# KiCad board pandore.kicad_pcb (continued)
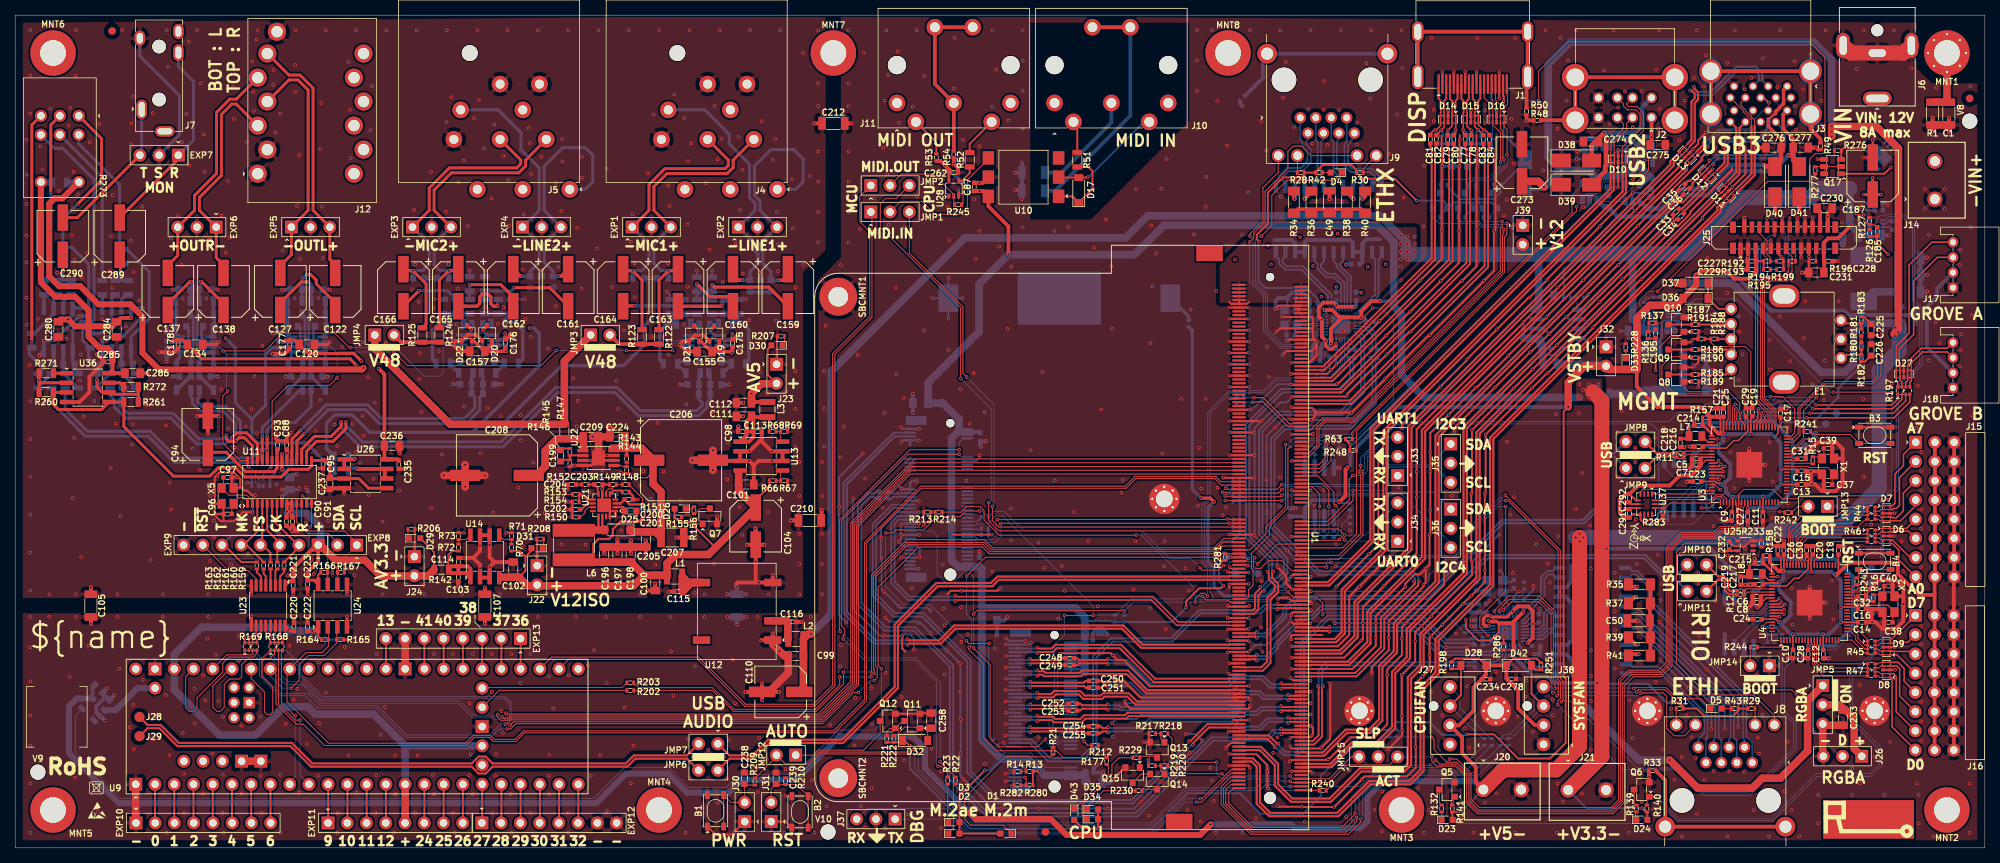
[diagram p0: board, top side]
## Placement (name value [footprint] x y rotation side) (continued)
JMP2  MIDITX  [HDR254P1X03-TH]  115.5 87.5 90 top
JMP3  PPWR  [HDR254P1X02-TH]  77.25 67.75 90 top
JMP4  PPWR  [HDR254P1X02-TH]  48.75 67.75 90 top
JMP5  RGBA.PWR  [HDR254P1X03-TH]  238.6 18.89 0 top
JMP6  AUDIO.D+  [HDR254P1X02-TH#2]  91.48 10.25 270 top
JMP7  AUDIO.D-  [HDR254P1X02-TH#2]  91.48 13.75 270 top
JMP8  USB.D-  [HDR254P1X02-TH#2]  213.89 53.65 90 top
JMP9  USB.D+  [HDR254P1X02-TH#2]  213.89 50.15 90 top
JMP10  USB.D-  [HDR254P1X02-TH#2]  222 37.4 90 top
JMP11  USB.D+  [HDR254P1X02-TH#2]  222 33.9 90 top
JMP12  AUTOON  [HDR254P1X02-TH]  101.75 12.25 270 top
JMP13  USBBOOT  [HDR254P1X02-TH]  237.95 45.11 270 top
JMP14  USBBOOT  [HDR254P1X02-TH]  230.28 24.06 270 top
JMP15  PON  [HDR254P1X03-TH#2]  179.94 12.03 90 top
L1  10µH  [INDC2520]  87.05 35.85 180 top
L2  10µH  [INDC2520]  103.05 27.6 180 top
L3  10µH  [INDC2520]  99.3 57.9 90 top
L4  8.2µH, 5A  [Eaton_HPAL1V0630]  244 75.2 270 bottom
L5  8.2µH, 5A  [Eaton_HPAL1V0630]  215.7 62.8 270 bottom
L6  Ind  [WE_IND5030]  73.75 40 90 top
L7  3.3µH, 1.8A  [INDC2012]  221.8 54.4 180 top
L8  3.3µH, 1.8A  [INDC2012]  229.78 36.2 180 top
M2AE30  M2  [mnt_M2_ele]  151.69 46.1 180 bottom
M2M42  M2  [mnt_M2_ele]  177.45 18.1 180 bottom
M2M60  M2  [mnt_M2_ele]  195.45 18.1 180 bottom
M2M80  M2  [mnt_M2_ele]  215.45 18.1 180 bottom
M2M110  M2  [mnt_M2_ele]  245.45 18.1 180 bottom
MNT1  MNT-CHASSIS  [mnt_M3_ele]  255 105 0 top
MNT2  Mounting  [mnt_M3]  255 5 45 top
MNT3  Mounting  [mnt_M3]  183 5 135 top
MNT4  Mounting  [mnt_M3]  85 5 45 top
MNT5  Mounting  [mnt_M3]  5 5 0 top
MNT6  Mounting  [mnt_M3]  5 105 0 top
MNT7  Mounting  [mnt_M3]  108 105 0 top
MNT8  Mounting  [mnt_M3]  160.1 105 0 top
PTC1  PTC  [FUSER1608]  251.6 70.7 0 bottom
PTC2  PTC  [FUSER1608]  251.6 69.4 0 bottom
Q1  MOSFET_EN-N  [SOT95P280X100-3]  190.68 91.04 90 bottom  (not fitted)
Q2  MOSFET_EN-N  [SOT95P280X100-3]  188.1 85.5 90 bottom
Q3  MOSFET_EN-N  [SOT95P280X100-3]  191.4 85.5 90 bottom
Q4  MOSFET_EN-N  [SOT95P280X100-3]  194.7 85.5 90 bottom
Q5  MOSFET_EN-N  [SOT95P280X100-3]  189 7.7 180 top
Q6  MOSFET_EN-N  [SOT95P280X100-3]  214.7 7.7 180 top
Q7  MOSFET_EN-N  [SOT95P280X100-3]  91.7 43.8 90 top
Q8  MOSFET_EN-N  [SOT95P280X100-3]  219.28 62.53 180 top
Q9  MOSFET_EN-N  [SOT95P280X100-3]  219.28 65.83 180 top
Q10  MOSFET_EN-N  [SOT95P280X100-3]  219.28 69.13 180 top
Q11  MOSFET_EN-N  [SOT95P280X100-3]  118.43 16.76 180 top
Q12  MOSFET_EN-N  [SOT95P280X100-3]  115.18 16.76 180 top
Q13  MOSFET_EN-N  [SOT95P280X100-3]  150.75 12.95 270 top
Q14  MOSFET_EN-N  [SOT95P280X100-3]  150.75 8.75 270 top
Q15  MOSFET_EN-N  [SOT95P280X100-3]  147.5 9.6 270 top
Q16  MOSFET_EN-P  [DFN65P300X300X100-9]  246.4 91.4 45 bottom
Q17  BJT_PNP  [SOT95P280X100-6]  239.9 90 180 top
R1  1MΩ, 5%, 250mW  [RESC3216]  253.1 97 270 top  (not fitted)
R2  0Ω, 5%, 63mW  [RESC1005]  172.77 41.42 90 bottom
R3  0Ω, 5%, 63mW  [RESC1005]  170.27 52.42 270 bottom
R4  0Ω, 5%, 63mW  [RESC1005]  174.07 41.42 90 bottom
R5  0Ω, 5%, 63mW  [RESC1005]  171.57 52.42 270 bottom
R6  0Ω, 5%, 63mW  [RESC1005]  172.87 52.42 270 bottom
R7  0Ω, 5%, 63mW  [RESC1005]  171.57 41.42 90 bottom
R8  10kΩ, 1%, 63mW  [RESC1005]  176.2 45.1 270 bottom
R9  10kΩ, 1%, 63mW  [RESC1005]  174.8 52.4 90 bottom
R10  10kΩ, 1%, 63mW  [RESC1005]  176.2 43.3 270 bottom  (not fitted)
R11  27Ω, 5%, 63mW  [RESCAXSR65P100X100X35-4]  219.8 51.9 0 top
R12  27Ω, 5%, 63mW  [RESCAXSR65P100X100X35-4]  227.78 33.7 0 top
R13  10kΩ, 1%, 63mW  [RESC1005]  133.9 10.1 180 top  (not fitted)
R14  1kΩ, 1%, 63mW  [RESC1005]  132.3 10.1 180 top  (not fitted)
R15  1kΩ, 1%, 63mW  [RESC1005]  237.3 51.19 90 top
R16  1kΩ, 1%, 63mW  [RESC1005]  245.27 32.99 90 top
R17  10kΩ, 1%, 63mW  [RESC1005]  145.2 30.3 90 bottom
R18  10kΩ, 1%, 63mW  [RESC1005]  146.4 30.3 90 bottom
R19  10kΩ, 1%, 63mW  [RESC1005]  172.54 62.61 90 bottom
R20  10kΩ, 1%, 63mW  [RESC1005]  191.4 28.9 90 bottom
R21  1kΩ, 1%, 63mW  [RESC1005]  137 12.8 270 top
R22  1kΩ, 1%, 63mW  [RESC1005]  124.1 8.9 270 top
R23  1kΩ, 1%, 63mW  [RESC1005]  123.1 8.9 270 top
R24  1MΩ, 1%, 63mW  [RESC1005]  170.94 68.64 270 bottom
R25  1MΩ, 1%, 63mW  [RESC1005]  196.35 32.53 180 bottom
R26  2.49kΩ, 1%, 63mW  [RESC1005]  171.4 70.93 0 bottom
R27  2.49kΩ, 1%, 63mW  [RESC1005]  199.18 34.65 270 bottom
R28  470Ω, 1%, 63mW  [RESC1005]  169.7 89.2 180 top
R29  470Ω, 1%, 63mW  [RESC1005]  229.2 18.4 0 top
R30  470Ω, 1%, 63mW  [RESC1005]  177.5 89.2 0 top
R31  470Ω, 1%, 63mW  [RESC1005]  219.7 18.4 180 top
R32  0Ω, 5%, 63mW  [RESC1005]  162 99 45 bottom
R33  0Ω, 5%, 63mW  [RESC1005]  216.1 10.2 0 top
R34  75Ω, 1%, 250mW  [RESMELF0204]  168.8 85.3 270 top
R35  75Ω, 1%, 250mW  [RESMELF0204]  214.4 34.8 0 top
R36  75Ω, 1%, 250mW  [RESMELF0204]  171.1 85.3 270 top
R37  75Ω, 1%, 250mW  [RESMELF0204]  214.4 32.3 0 top
R38  75Ω, 1%, 250mW  [RESMELF0204]  175.8 85.3 270 top
R39  75Ω, 1%, 250mW  [RESMELF0204]  214.4 27.8 0 top
R40  75Ω, 1%, 250mW  [RESMELF0204]  178.2 85.3 270 top
R41  75Ω, 1%, 250mW  [RESMELF0204]  214.4 25.4 0 top
R42  1kΩ, 1%, 63mW  [RESC1005]  172.1 89.2 180 top
R43  1kΩ, 1%, 63mW  [RESC1005]  227 18.4 0 top
R44  560Ω, 5%, 63mW  [RESCAXSR50P200X100X35-8]  245.01 44.2 0 top
R45  560Ω, 5%, 63mW  [RESCAXSR50P200X100X35-8]  245.01 26.51 0 top
R46  560Ω, 5%, 63mW  [RESCAXSR50P200X100X35-8]  245.01 41.2 0 top
R47  560Ω, 5%, 63mW  [RESCAXSR50P200X100X35-8]  245.01 23.51 0 top
R48  0Ω, 5%, 63mW  [RESC1005]  200.9 96.1 0 top
R49  0Ω, 5%, 63mW  [RESC1005]  238.3 92.7 90 top
R50  0Ω, 5%, 63mW  [RESC1005]  199.5 97.3 90 top
R51  220Ω, 1%, 250mW  [RESC2012]  140.2 90.9 270 top
R52  10Ω, 1%, thin film  [RESC2012]  126 90.9 270 top
R53  33Ω, 1%, 63mW  [RESC1005]  121.6 91.2 270 top
R54  0Ω, 5%, 63mW  [RESC1005]  123.9 91.6 90 top
R55  560Ω, 5%, 63mW  [RESCAXSR50P200X100X35-8]  188.71 93.54 90 bottom  (not fitted)
R56  560Ω, 5%, 63mW  [RESCAXSR50P200X100X35-8]  192.63 93.53 90 bottom  (not fitted)
R57  2.2kΩ, 1%, 63mW  [RESC1005]  187.6 83.3 180 bottom
R58  2.2kΩ, 1%, 63mW  [RESC1005]  188.6 87.6 180 bottom
R59  2.2kΩ, 1%, 63mW  [RESC1005]  190.9 83.3 180 bottom
R60  2.2kΩ, 1%, 63mW  [RESC1005]  192.3 87.6 180 bottom
R61  2.2kΩ, 1%, 63mW  [RESC1005]  194.2 83.3 180 bottom
R62  2.2kΩ, 1%, 63mW  [RESC1005]  195.6 87.6 180 bottom
R63  10kΩ, 1%, 63mW  [RESC1005]  176.05 54 180 top
R64  10kΩ, 1%, 63mW  [RESC1005]  38.2 45.35 0 bottom
R65  1kΩ, 1%, 63mW  [RESC1005]  38.62 46.57 90 bottom
R66  10kΩ, 1%, 63mW  [RESC1005]  100 48.5 0 top
R67  10kΩ, 1%, 63mW  [RESC1005]  101.5 48.5 0 top  (not fitted)
R68  10kΩ, 1%, 63mW  [RESC1005]  100 55 0 top
R69  3.09kΩ, 1%, 63mW  [RESC1005]  101.5 55 0 top
R70  10kΩ, 1%, 63mW  [RESC1005]  65.53 39.67 90 top
R71  10kΩ, 1%, 63mW  [RESC1005]  65.53 41.17 90 top  (not fitted)
R72  10kΩ, 1%, 63mW  [RESC1005]  58.52 39.68 90 top
R73  5.6kΩ, 1%, 63mW  [RESC1005]  58.53 41.18 90 top
R74  5.1kΩ, 0.5%, thin film  [RESC2012]  37 63.75 180 bottom
R75  5.1kΩ, 0.5%, thin film  [RESC2012]  40 63.75 0 bottom
R76  5.1kΩ, 0.5%, thin film  [RESC2012]  37 60.5 180 bottom
R77  5.1kΩ, 0.5%, thin film  [RESC2012]  40 60.5 0 bottom
R78  5.1kΩ, 0.5%, thin film  [RESC2012]  36.9 70.5 180 bottom
R79  5.1kΩ, 0.5%, thin film  [RESC2012]  40 70.5 0 bottom
R80  100Ω, 1%, thin film  [RESC2012]  36.9 72.25 0 bottom
R81  100Ω, 1%, thin film  [RESC2012]  40 72.25 180 bottom
R82  10Ω, 1%, thin film  [RESC2012]  93.75 71.45 270 bottom
R83  10Ω, 1%, thin film  [RESC2012]  88.25 71.45 270 bottom
R84  5.1kΩ, 0.5%, thin film  [RESC2012]  22.25 60.5 180 bottom
R85  5.1kΩ, 0.5%, thin film  [RESC2012]  25.25 60.5 0 bottom
R86  5.1kΩ, 0.5%, thin film  [RESC2012]  22.25 63.75 180 bottom
R87  5.1kΩ, 0.5%, thin film  [RESC2012]  25.25 63.75 0 bottom
R88  10Ω, 1%, thin film  [RESC2012]  63.75 71.5 270 bottom
R89  10Ω, 1%, thin film  [RESC2012]  58.25 71.5 270 bottom
R90  5.1kΩ, 0.5%, thin film  [RESC2012]  22.15 70.5 180 bottom
R91  5.1kΩ, 0.5%, thin film  [RESC2012]  25.25 70.5 0 bottom
R92  100Ω, 1%, thin film  [RESC2012]  22.15 72.25 0 bottom
R93  100Ω, 1%, thin film  [RESC2012]  25.25 72.25 180 bottom
R94  1kΩ, 0.5%, thin film  [RESC2012]  93.75 69.2 180 bottom
R95  1kΩ, 0.5%, thin film  [RESC2012]  88.25 69.2 0 bottom
R96  1kΩ, 0.5%, thin film  [RESC2012]  95.5 63.95 180 bottom
R97  1kΩ, 0.5%, thin film  [RESC2012]  86.5 63.95 0 bottom
R98  40.2Ω, 0.5%, thin film  [RESC2012]  92.5 62.7 180 bottom
R99  40.2Ω, 0.5%, thin film  [RESC2012]  89.5 62.7 0 bottom
R100  1kΩ, 0.5%, thin film  [RESC2012]  63.75 69.25 180 bottom
R101  1kΩ, 0.5%, thin film  [RESC2012]  58.25 69.25 0 bottom
R102  1kΩ, 0.5%, thin film  [RESC2012]  65.5 64 180 bottom
R103  1kΩ, 0.5%, thin film  [RESC2012]  56.5 64 0 bottom
R104  40.2Ω, 0.5%, thin film  [RESC2012]  62.5 62.75 180 bottom
R105  40.2Ω, 0.5%, thin film  [RESC2012]  59.5 62.75 0 bottom
R106  10kΩ, 1%, 63mW  [RESC1005]  33.19 48.82 180 bottom
R107  10kΩ, 1%, 63mW  [RESC1005]  31.69 48.82 180 bottom  (not fitted)
R108  10kΩ, 1%, 63mW  [RESC1005]  33.19 47.82 180 bottom
R109  10kΩ, 1%, 63mW  [RESC1005]  31.69 47.82 180 bottom  (not fitted)
R110  9.1kΩ, 0.5%, thin film  [RESC2012]  92 71.45 270 bottom
R111  9.1kΩ, 0.5%, thin film  [RESC2012]  90 71.45 270 bottom
R112  9.1kΩ, 0.5%, thin film  [RESC2012]  62 71.5 270 bottom
R113  9.1kΩ, 0.5%, thin film  [RESC2012]  60 71.5 270 bottom
R114  47kΩ, 0.5%, thin film  [RESC2012]  92 74.45 270 bottom
R115  47kΩ, 0.5%, thin film  [RESC2012]  62 74.5 270 bottom
R116  47kΩ, 0.5%, thin film  [RESC2012]  90 74.45 270 bottom
R117  47kΩ, 0.5%, thin film  [RESC2012]  60 74.5 270 bottom
R118  1kΩ, 0.5%, thin film  [RESC2012]  95.5 71.5 270 bottom
R119  1kΩ, 0.5%, thin film  [RESC2012]  65.5 71.5 270 bottom
R120  1kΩ, 0.5%, thin film  [RESC2012]  86.5 71.5 270 bottom
R121  1kΩ, 0.5%, thin film  [RESC2012]  56.5 71.5 270 bottom
R122  6.8kΩ, 0.5%, thin film  [RESC2012]  85 67.5 270 top
R123  6.8kΩ, 0.5%, thin film  [RESC2012]  82.75 67.5 270 top
R124  6.8kΩ, 0.5%, thin film  [RESC2012]  56 67.75 270 top
R125  6.8kΩ, 0.5%, thin film  [RESC2012]  53.75 67.75 270 top
R126  158kΩ, 1%, 63mW  [RESC1005]  244.78 81.21 90 top
R127  30kΩ, 1%, 63mW  [RESC1005]  244.78 82.81 90 top
R128  68.1kΩ, 1%, 63mW  [RESC1005]  244.5 84.7 90 bottom
R129  10kΩ, 1%, 63mW  [RESC1005]  243.4 82.36 90 bottom  (not fitted)
R130  10kΩ, 1%, 63mW  [RESC1005]  243.4 83.89 90 bottom  (not fitted)
R131  0Ω, 5%, thin film  [RESC2012]  248.7 70.5 270 bottom
R132  1kΩ, 1%, 63mW  [RESC1005]  188.3 5.2 270 top
R133  10kΩ, 1%, 63mW  [RESC1005]  215 70.09 90 bottom  (not fitted)
R134  10kΩ, 1%, 63mW  [RESC1005]  214.99 71.61 90 bottom  (not fitted)
R135  100kΩ, 1%, 63mW  [RESC1005]  216.2 72.3 90 bottom
R136  93.1kΩ, 1%, 63mW  [RESC1005]  215.54 67.72 90 top
R137  30kΩ, 1%, 63mW  [RESC1005]  216.11 69.33 0 top
R138  0Ω, 5%, thin film  [RESC2012]  209.5 60 180 bottom
R139  1kΩ, 1%, 63mW  [RESC1005]  214 5.2 270 top
R140  10kΩ, 1%, 63mW  [RESC1005]  215.4 5.2 90 top
R141  10kΩ, 1%, 63mW  [RESC1005]  189.7 5.2 90 top
R142  0Ω, 5%, thin film  [RESC2012]  56.25 36.75 180 top
R143  10kΩ, 1%, 63mW  [RESC1005]  80.72 51.4 270 top
R144  10kΩ, 1%, 63mW  [RESC1005]  80.73 49.9 270 top  (not fitted)
R145  100kΩ, 1%, 63mW  [RESC1005]  73.22 52.3 270 top
R146  2.49kΩ, 1%, 63mW  [RESC1005]  73.22 50.8 270 top
R147  0Ω, 5%, thin film  [RESC2012]  72.5 55 90 top
R148  316kΩ, 1%, 63mW  [RESC1005]  80.6 48 180 top
R149  53.6kΩ, 1%, 63mW  [RESC1005]  78.9 48 180 top
R150  37.4kΩ, 1%, 63mW  [RESC1005]  74 43.7 180 top
R151  21kΩ, 1%, 63mW  [RESC1005]  80.6 47 0 top
R152  100kΩ, 1%, 63mW  [RESC1005]  75.25 48 180 top
R153  316kΩ, 1%, 63mW  [RESC1005]  74 46.7 0 top
R154  53.6kΩ, 1%, 63mW  [RESC1005]  74 45.7 180 top
R155  10kΩ, 1%, 63mW  [RESC1005]  87.5 43.7 0 top
R156  2.49kΩ, 1%, 63mW  [RESC1005]  89.6 44.6 90 top
R157  33Ω, 1%, 63mW  [RESC1005]  223.2 56.8 0 top
R158  33Ω, 1%, 63mW  [RESC1005]  231.18 38.6 0 top
R159  49.9Ω, 1%, 63mW  [RESC1005]  35.5 37.3 90 top
R160  49.9Ω, 1%, 63mW  [RESC1005]  34.6 37.3 90 top
R161  49.9Ω, 1%, 63mW  [RESC1005]  33.7 37.3 90 top
R162  49.9Ω, 1%, 63mW  [RESC1005]  32.8 37.3 90 top
R163  49.9Ω, 1%, 63mW  [RESC1005]  31.9 37.3 90 top
R164  2.2kΩ, 1%, 63mW  [RESC1005]  40.9 27.5 0 top
R165  2.2kΩ, 1%, 63mW  [RESC1005]  42.9 27.5 180 top
R166  2.2kΩ, 1%, 63mW  [RESC1005]  40.8 36.4 0 top
R167  2.2kΩ, 1%, 63mW  [RESC1005]  43 36.4 180 top
R168  0Ω, 5%, 63mW  [RESCAXSR50P200X100X35-8]  34.5 26.6 90 top
R169  0Ω, 5%, 63mW  [RESCAXSR50P200X100X35-8]  31.1 26.6 90 top
R170  0Ω, 5%, 63mW  [RESCAXSR50P200X100X35-8]  34.5 26.6 90 bottom  (not fitted)
R171  0Ω, 5%, 63mW  [RESCAXSR50P200X100X35-8]  31.1 26.6 90 bottom  (not fitted)
R172  2.2kΩ, 1%, 63mW  [RESC1005]  161.2 48.4 180 bottom
R173  2.2kΩ, 1%, 63mW  [RESC1005]  161.2 47.5 180 bottom
R174  2.2kΩ, 1%, 63mW  [RESC1005]  161.2 46.6 180 bottom
R175  2.2kΩ, 1%, 63mW  [RESC1005]  161.2 45.7 180 bottom
R176  2.2kΩ, 1%, 63mW  [RESC1005]  193.1 90.7 180 bottom  (not fitted)
R177  1kΩ, 1%, 63mW  [RESC1005]  144.09 11.49 90 top
R178  2.2kΩ, 1%, 63mW  [RESC1005]  161.2 43.34 180 bottom
R179  2.2kΩ, 1%, 63mW  [RESC1005]  161.2 42.4 180 bottom
R180  10kΩ, 1%, 63mW  [RESC1005]  243.68 66.28 270 top
R181  10kΩ, 1%, 63mW  [RESC1005]  243.68 68.08 90 top
R182  10kΩ, 1%, 63mW  [RESC1005]  243.68 64.67 90 top
R183  10kΩ, 1%, 63mW  [RESC1005]  243.68 69.72 270 top
R184  10kΩ, 1%, 63mW  [RESC1005]  222.57 67.22 180 top
R185  560Ω, 1%, 63mW  [RESC1005]  221.78 62.53 0 top
R186  560Ω, 1%, 63mW  [RESC1005]  221.78 65.83 0 top
R187  560Ω, 1%, 63mW  [RESC1005]  221.78 69.13 0 top
R188  5.6kΩ, 1%, 63mW  [RESC1005]  224.28 67.22 180 top
R189  10kΩ, 1%, 63mW  [RESC1005]  221.78 61.62 0 top
R190  10kΩ, 1%, 63mW  [RESC1005]  221.78 64.72 0 top
R191  10kΩ, 1%, 63mW  [RESC1005]  221.78 68.22 0 top
R192  10kΩ, 1%, 63mW  [RESC1005]  231.25 77.5 0 top  (not fitted)
R193  10kΩ, 1%, 63mW  [RESC1005]  231.25 76.4 0 top  (not fitted)
R194  0Ω, 5%, 63mW  [RESC1005]  232.95 77.5 180 top
R195  0Ω, 5%, 63mW  [RESC1005]  232.95 76.4 180 top
R196  910kΩ, 1%, 63mW  [RESC1005]  237.25 77.5 0 top
R197  560Ω, 5%, 63mW  [RESCAXSR50P200X100X35-8]  249.3 60.4 90 top
R198  4.7kΩ, 1%, 63mW  [RESC1005]  189.6 24.1 270 top
R199  0Ω, 5%, 63mW  [RESC1005]  234.55 77.5 180 top
R200  21kΩ, 1%, 63mW  [RESC1005]  193.9 14 90 bottom
R201  49.9Ω, 1%, 63mW  [RESC1005]  194.9 14 90 bottom
R202  0Ω, 5%, 63mW  [RESC1005]  81.2 20.8 0 top
R203  0Ω, 5%, 63mW  [RESC1005]  81.2 21.8 0 top
R204  10Ω, 1%, thin film  [RESC2012]  43.04 51.72 180 bottom
R205  10Ω, 1%, thin film  [RESC2012]  43.04 49.82 180 bottom
R206  560Ω, 1%, 63mW  [RESC1005]  52.3 42.1 180 top
R207  1kΩ, 1%, 63mW  [RESC1005]  101.1 67.6 0 top
R208  2.49kΩ, 1%, 63mW  [RESC1005]  69.3 40.8 0 top
R209  49.9Ω, 1%, 63mW  [RESC1005]  97.65 8.75 90 top
R210  49.9Ω, 1%, 63mW  [RESC1005]  101.7 8.8 90 top
R211  100kΩ, 1%, 63mW  [RESC1005]  161.71 59.51 180 bottom
R212  0Ω, 5%, 63mW  [RESC1005]  142.55 13.55 0 top
R213  0Ω, 5%, 63mW  [RESC1005]  120.4 44.35 180 top
R214  0Ω, 5%, 63mW  [RESC1005]  121.9 44.35 180 top  (not fitted)
R215  10kΩ, 1%, 63mW  [RESC1005]  128 41.35 180 bottom
R216  10kΩ, 1%, 63mW  [RESC1005]  128 42.2 180 bottom
R217  10kΩ, 1%, 63mW  [RESC1005]  150.1 15.1 180 top
R218  1kΩ, 1%, 63mW  [RESC1005]  151.7 15.1 180 top
R219  10kΩ, 1%, 63mW  [RESC1005]  150.05 10.85 180 top
R220  1kΩ, 1%, 63mW  [RESC1005]  151.7 10.85 180 top
R221  100kΩ, 1%, 63mW  [RESC1005]  115.05 14.4 90 top
R222  1MΩ, 1%, 63mW  [RESC1005]  116 14.4 90 top
R223  10kΩ, 1%, 63mW  [RESC1005]  204.86 72.7 0 bottom
R224  10kΩ, 1%, 63mW  [RESC1005]  206.6 72.7 0 bottom  (not fitted)
R225  10kΩ, 1%, 63mW  [RESC1005]  204.86 65.95 0 bottom
R226  5.6kΩ, 1%, 63mW  [RESC1005]  206.61 65.95 0 bottom
R227  0Ω, 5%, thin film  [RESC2012]  202.6 63.9 0 bottom
R228  560Ω, 1%, 63mW  [RESC1005]  212.61 66.14 270 top
R229  1kΩ, 1%, 63mW  [RESC1005]  148 11.9 180 top
R230  1kΩ, 1%, 63mW  [RESC1005]  148.3 7.55 180 top
R231  10kΩ, 1%, 63mW  [RESC1005]  223.7 46.1 0 bottom  (not fitted)
R232  10kΩ, 1%, 63mW  [RESC1005]  231.75 27.24 0 bottom  (not fitted)
R233  10kΩ, 1%, 63mW  [RESC1005]  230.5 40.2 90 top
R234  1kΩ, 1%, 63mW  [RESC1005]  223.7 45.1 0 bottom
R235  1kΩ, 1%, 63mW  [RESC1005]  233.24 27.74 90 bottom
R236  0Ω, 5%, 63mW  [RESC1005]  223.7 47 180 bottom  (not fitted)
R237  0Ω, 5%, 63mW  [RESC1005]  231.33 28.66 270 bottom  (not fitted)
R238  0Ω, 5%, 63mW  [RESC1005]  223.7 47.9 180 bottom
R239  0Ω, 5%, 63mW  [RESC1005]  232.32 28.66 270 bottom
R240  49.9Ω, 1%, 63mW  [RESC1005]  172.6 7.6 0 top
R241  1kΩ, 1%, 63mW  [RESC1005]  236.55 55 180 top
R242  1kΩ, 1%, 63mW  [RESC1005]  234.04 44.28 180 top
R243  1kΩ, 1%, 63mW  [RESC1005]  243.1 35.2 270 top
R244  1kΩ, 1%, 63mW  [RESC1005]  229.51 26.52 0 top
R245  0Ω, 5%, 63mW  [RESC1005]  124.46 84.96 0 top  (not fitted)
R246  10kΩ, 1%, 63mW  [RESC1005]  181.5 15.1 270 bottom  (not fitted)
R247  10kΩ, 1%, 63mW  [RESC1005]  182.39 15.1 90 bottom  (not fitted)
R248  10kΩ, 1%, 63mW  [RESC1005]  176.6 52.5 0 top
R249  21kΩ, 1%, 63mW  [RESC1005]  197.1 14 90 bottom
R250  49.9Ω, 1%, 63mW  [RESC1005]  196.1 14 90 bottom
R251  4.7kΩ, 1%, 63mW  [RESC1005]  201.4 24 270 top
R252  5.1kΩ, 0.5%, thin film  [RESC2012]  3.11 61.7 270 bottom
R253  5.1kΩ, 0.5%, thin film  [RESC2012]  8.31 61.7 90 bottom
R254  10kΩ, 0.5%, thin film  [RESC2012]  6.61 61.7 90 bottom
R255  10kΩ, 0.5%, thin film  [RESC2012]  4.81 61.7 90 bottom
R256  10kΩ, 0.5%, thin film  [RESC2012]  14.31 61.7 90 bottom
R257  10kΩ, 0.5%, thin film  [RESC2012]  12.51 61.7 90 bottom
R258  5.1kΩ, 0.5%, thin film  [RESC2012]  10.81 61.7 270 bottom
R259  5.1kΩ, 0.5%, thin film  [RESC2012]  16.01 61.7 90 bottom
R260  0Ω, 5%, thin film  [RESC2012]  4.1 60.2 180 top  (not fitted)
R261  0Ω, 5%, thin film  [RESC2012]  15.3 58.9 0 top  (not fitted)
R262  5.1kΩ, 0.5%, thin film  [RESC2012]  5.6 74 90 bottom
R263  5.1kΩ, 0.5%, thin film  [RESC2012]  2.2 67 90 bottom
R264  5.1kΩ, 0.5%, thin film  [RESC2012]  3.8 74 270 bottom
R265  10Ω, 1%, thin film  [RESC2012]  7.4 74 90 bottom
R266  5.1kΩ, 0.5%, thin film  [RESC2012]  9.9 67 90 bottom
R267  5.1kΩ, 0.5%, thin film  [RESC2012]  13.2 74 90 bottom
R268  10Ω, 1%, thin film  [RESC2012]  14.9 74 90 bottom
R269  5.1kΩ, 0.5%, thin film  [RESC2012]  11.5 74 270 bottom
R270  0Ω, 5%, thin film  [RESC2012]  14.3 78.1 270 bottom  (not fitted)
R271  10Ω, 1%, thin film  [RESC2012]  4.1 62.7 180 top
R272  10Ω, 1%, thin film  [RESC2012]  15.3 60.9 0 top
R273  pot_2_sw  [bourns_PTR902]  5.9 94.2 180 top
R274  0Ω, 5%, thin film  [RESC2012]  6.3 78.4 270 bottom  (not fitted)
R275  0Ω, 5%, thin film  [RESC2012]  5.85 87.9 0 bottom  (not fitted)
R276  53.6kΩ, 1%, 63mW  [RESC1005]  240.6 92.1 180 top
R277  10kΩ, 1%, 63mW  [RESC1005]  237.6 89.5 270 top
R278  0Ω, 5%, 63mW  [RESC1005]  128 43.7 180 bottom
R279  0Ω, 5%, 63mW  [RESC1005]  129.4 13.9 315 bottom
R280  10kΩ, 1%, 63mW  [RESC1005]  133.9 8.3 180 top  (not fitted)
R281  10kΩ, 1%, 63mW  [RESC1005]  159.71 38.41 270 top
R282  0Ω, 5%, 63mW  [RESC1005]  132.3 8.3 0 top
R283  10kΩ, 1%, 63mW  [RESC1005]  217.5 44.4 90 top
R284  1kΩ, 1%, 63mW  [RESC1005]  154.91 69.26 90 bottom
R285  100kΩ, 1%, 63mW  [RESC1005]  161.71 58.6 180 bottom
R286  10kΩ, 1%, 63mW  [RESC1005]  196.46 26.58 90 top
SBCMNT1  SBC-CHASSIS  [spacer_M2]  108.65 72.8 270 top
SBCMNT2  Mounting  [spacer_M2#2]  108.65 9.2 270 top
T1  trans_pulse_4  [WE_749020111A]  173.4 83 90 bottom
T2  trans_pulse_4  [WE_749020111A]  208.2 30 0 bottom
TP1  TP1: Net-(U3B-SWCLK¹)  [tp_solder]  236.17 53.17 315 bottom
TP2  TP2: Net-(U4B-SWCLK¹)  [tp_solder]  245 31 0 bottom
TP3  TP3: Net-(U3B-SWDIO¹)  [tp_solder]  237.59 54.59 315 bottom
TP4  TP4: Net-(U4B-SWDIO¹)  [tp_solder]  245 33 0 bottom
TP5  TP5: /Computer/MGMTMCU.~{RST}  [tp_solder]  239 56 315 bottom
TP6  TP6: /Computer/RTIOMCU.~{RST}  [tp_solder]  245 35 0 bottom
TP7  TP7: VSS  [tp_solder]  240.41 57.41 315 bottom
TP8  TP8: VSS  [tp_solder]  245 37 0 bottom
TP10  TP10: /Computer/Computer module/GPP_F13  [tp_solder]  159.9 38.4 270 bottom
TP11  TP11: /Computer/Computer module/GPP_F14  [tp_solder]  162.1 38.6 270 bottom
TP12  TP12: /Computer/Computer module/GPP_F15  [tp_solder]  164 36.25 270 bottom
TP13  TP13: /Computer/Computer module/GPP_F16  [tp_solder]  161.1 36.2 270 bottom
U1  LattePanda_Mu  [LattePanda_Module_H8.0mm_Horizontal]  165.65 41 270 top
U2  mem_flash_spi  [SOIC127PxxxX200-8]  172.17 46.92 270 bottom
U3  RP2350B  [QFN40P1000X1000-81]  228.9 50.6 90 top
U4  RP2350B  [QFN40P1000X1000-81]  236.87 32.4 90 top
U5  mem_flash_spi  [SOIC127PxxxX200-8]  219.6 48 90 bottom
U6  mem_flash_spi  [SOIC127PxxxX200-8]  227.57 29.8 90 bottom
U7  RTL8111H  [QFN40P400X400-33]  174.98 69.18 270 bottom
U8  RTL8111H  [QFN40P400X400-33]  197.1 28.7 180 bottom
U9  Teensy 4.1  [teensy_4.1]  45.13 16.02 0 top
U10  H11L1  [SOIC254P1030X430-6]  133.1 88.6 180 top
U11  CS4272  [SOP65P640X970-28]  34.89 48.32 90 top
U12  NXES2  [murata_nxe2]  95.3 31.35 180 top
U13  LDL212DR  [SOIC127P600X150-8]  98.5 51.75 0 top
U14  LDL212DR  [SOIC127P600X150-8]  62 38.5 90 top
U15  OPAMP_DIFF_1  [SOP65P490X300-8]  38.5 66.5 0 bottom
U16  OPAMP_DIFF_1  [SOP65P490X300-8]  23.75 66.5 0 bottom
U17  OPAMP_DIFF_1  [SOP65P490X300-8]  91 66.7 180 bottom
U18  OPAMP_DIFF_1  [SOP65P490X300-8]  61 66.75 180 bottom
U19  AP6335xQ  [DFN300X200X90-9]  245.65 81.64 0 bottom
U20  AP6335xQ  [DFN300X200X90-9]  217.35 69.29 0 bottom
U21  LM5158  [QFN50P300X300-17]  77.75 45.25 180 top
U22  TPS7A4001  [SOP65P490X300-9]  77 51.5 0 top
U23  ISO7762  [SOP635P600X490-16]  33.4 32 270 top
U24  ISO1640  [SOIC127P600X150-8]  41.9 32 90 top
U25  x4xxxx1G17  [SOT65P210X90-5]  228.4 39.9 180 top
U26  OPA1656  [SOIC127P600X150-8]  46.24 49.42 0 top
U27  LDL212DR  [SOIC127P600X150-8]  203.6 69.2 0 bottom
U28  x4xxxx1G17  [SOT65P210X90-5]  123.9 87.1 90 top
U29  5.5V 1A  [SOT95P280X100-5]  209.58 91.54 270 bottom
U30  5.5V 1A  [SOT95P280X100-5]  215.18 91.54 270 bottom
U31  5.5V 1A  [SOT95P280X100-5]  213.5 86.5 90 bottom
U32  5.5V 1A  [SOT95P280X100-5]  207.85 86.7 90 bottom
U33  5.5V 1A  [SOT95P280X100-5]  10.31 18.29 135 bottom
U34  OPA1656  [SOIC127P600X150-8]  5.71 68.5 90 bottom
U35  OPA1656  [SOIC127P600X150-8]  13.4 68.5 90 bottom
U36  OPA1656  [SOIC127P600X150-8]  9.6 60.8 0 top
U37  BMI270  [QFN50P250X300-14]  215.3 45.4 270 top
V1  realee logo  [logo_realee_5mm]  244.65 3.81 0 top
V2  rohs icon  [icon_rohs_]  8.3 10.82 0 top
V3  notrash icon  [icon_notrash]  10.72 7.92 0 top
V4  esd icon  [icon_esdwarning_3mm]  10.85 4.93 0 top
V5  fiducial  [fiducial_1to2_1mm]  258 99 270 top
V6  fiducial  [fiducial_1to2_1mm]  12.8 107.9 0 top
V7  fiducial  [fiducial_1to2_1mm]  136 2.1 0 top
V8  tooling hole  [mechole_2.0mm]  258 96 270 top
V9  tooling hole  [mechole_2.0mm]  3 10 0 top
V10  tooling hole  [mechole_2.0mm]  107.3 2.1 0 top
V11  serial  [serial_8x8]  5.5 17.3 0 top
V12  3d axis  [axis_cartesian_3d]  213.7 40.9 270 top
X1  12MHz, 30ppm+30ppm, 10pF  [OSCCC320X250X90]  239.3 50.39 0 top
X2  12MHz, 30ppm+30ppm, 10pF  [OSCCC320X250X90]  247.27 32.19 0 top
X3  25MHz, 30ppm+30ppm, 10pF  [OSCCC320X250X90]  168.36 70.08 180 bottom
X4  25MHz, 30ppm+30ppm, 10pF  [OSCCC320X250X90]  195.35 34.53 90 bottom
X5  24.576MHz, 50ppm+20ppm, 18pF  [OSCCC320X250X90]  28.05 46.5 180 top

## Library data of the parts
B1-B4 = -: Datasheet: https://www.ckswitches.com/media/1476/pts810.pdf; Description: Momentary tactile button, normally-open; MPN: PTS810 SJM 250 SMTR LFS; MFG: C&K Switches; Link: https://www.ckswitches.com/products/switches/product-details/Tactile/PTS810/; ki_fp_filters: reekilib_msw:tact_460X320X250 reekilib_msw:tact_350X355X135_horz
BAT1 = -: Datasheet: https://www.keyelco.com/userAssets/file/K75p4.pdf; Description: battery single-cell; MPN: 1060; MFG: Keystone Electronics; Link: https://www.keyelco.com/product.cfm/product_id/726
C1 = -: Datasheet: https://www.holystone.com.tw/downloads/series/10000/1000/43/20240823161915_file2.pdf; Description: Non polarized capacitor; Link: https://www.holystone.com.tw/product_detail.php?&mlevel1=14&DetailId=QD48PyomJTFAKCsjJV4r&lineId=QD48PyomJTE5QCgrIyVeKw==; Capacitance: 10nF; Voltage: 630V; Dielectric: X7R; MPN: ACC1206X103K631TX; MFG: Holy Stone Enterprise Co Ltd; Rating: X1,Y2
C2-C30 C33-C36 C41-C48 C51-C62 C67-C72 C77-C84 C87 C88 C90 C91 C93 C95 C113 C114 C119 C133 C140 C156 C175-C179 C189 C220-C223 C227 C228 C232 C234 C235 C241 C242 C244 C246 C260 C262 C278 C279 C283 C285 C291 C292 = -: Datasheet: https://www.passivecomponent.com/wp-content/uploads/datasheet/WTC_MLCC_General_Purpose.pdf; Description: Non polarized capacitor; Link: https://www.passivecomponent.com/product-search/MLCC/?partnumber=0402B104K160CT; Capacitance: 100nF; Voltage: 25V; Dielectric: X7R; MPN: 0402B104K160CT; MFG: Walsin Technology Corporation; MPN4: CC0402KRX7R7BB104; MFG4: YAGEO; ki_fp_filters: reekilib_cap:CAPC*
C31 C32 C63-C66 C98 C103 C214-C219 C229 C261 = -: Datasheet: https://ds.yuden.co.jp/TYCOMPAS/ut/specSheet?pn=MSASJ105BB5475MFNA01; Description: Non polarized capacitor; Link: https://ds.yuden.co.jp/TYCOMPAS/ut/detail?pn=MSASJ105BB5475MFNA01&u=M; Capacitance: 4.7µF; Voltage: 6.3V; Dielectric: X5R; MPN: JMK105BBJ475MV-F; MFG: Taiyo Yuden; MPN2: CL05A475MP5NRNC; MFG2: Samsung Electro-Mechanics; MPN3: GRM155R60J475ME47D; MFG3: Murata; MPN4: CC0402MRX5R6BB475; MFG4: YAGEO; ki_fp_filters: reekilib_cap:CAPC*
C37-C40 = -: Datasheet: https://yageogroup.com/content/datasheet/asset/file/UPY-GP_NP0_16V-to-250V; Description: Non polarized capacitor; Capacitance: 15pF; Voltage: 6.3V; Dielectric: X7R; MPN: CC0402JRNPO9BN150; MFG: Yageo; Link: https://yageogroup.com/products/Capacitors/part/CC0402JRNPO9BN150; ki_fp_filters: reekilib_cap:CAPC*
C49 C50 = -: Datasheet: https://www.johansontechnology.com/search/pn-pdf/VPDD202W102K1GV001E/; Description: Non polarized capacitor; Capacitance: 1nF; Voltage: 1kV; Dielectric: X7R; MPN: VPDD202W102K1GV001E; MFG: Johanson Dielectrics Inc.; ki_fp_filters: reekilib_cap:CAPC*
C73-C76 C96 C97 = -: Datasheet: https://yageogroup.com/content/datasheet/asset/file/UPY-GP_NP0_16V-to-250V; Description: Non polarized capacitor; Capacitance: 12pF; Voltage: 6.3V; Dielectric: X7R; MPN: CC0402JRNPO9BN120; MFG: Yageo; Link: https://yageogroup.com/products/Capacitors/part/CC0402JRNPO9BN120; ki_fp_filters: reekilib_cap:CAPC*
C85 C86 C105-C109 C210-C213 = -: Datasheet: https://www.vishay.com/docs/28580/vjw1hvmlcccommseries.pdf; Description: Non polarized capacitor; Capacitance: 100pF; Voltage: 1kV; Dielectric: X5R; MPN: VJ1206A101JXGCW1HV; MFG: Vishay Vitramon; ki_fp_filters: reekilib_cap:CAPC*
C89 C92 C99-C102 C111 C112 C120 C134 C155 C157 C186 C188 C196-C198 C230 C231 C233 C236 C240 C243 C245 C247 C258 C259 C274-C277 C280 C284 C286 = -: Datasheet: https://search.murata.co.jp/Ceramy/image/img/A01X/G101/ENG/GRM21BR61E106KA73-01.pdf; Description: Non polarized capacitor; Capacitance: 10µF; Voltage: 25V; Dielectric: X5R; MPN: GRM21BR61E106KA73K; MFG: Murata; ki_fp_filters: reekilib_cap:CAPC*
C94 C104 C110 = -: Datasheet: https://search.kemet.com/component-documentation/download/specsheet/A768EB476M1VLAE042; Description: Polarized capacitor; Link: https://www.kemet.com/en/us/product/A768EB476M1VLAE042.html; Capacitance: 47µF; Voltage: 25V; Tolerance: 20%; Temperature: 105°C; MPN: A768EB476M1VLAE042; MFG: KEMET; MPN2: APXG250ARA470MF61G; MFG2: Chemi-Con; MPN3: A765EB476M1ELAE040; MFG3: KEMET; ki_fp_filters: reekilib_cap:CAPAE* reekilib_cap:CAPPR*
C115 C116 C200 = -: Datasheet: https://www.passivecomponent.com/wp-content/uploads/datasheet/WTC_MLCC_General_Purpose.pdf; Description: Non polarized capacitor; Link: https://www.passivecomponent.com/product-search/MLCC/?partnumber=0402B104K160CT; Capacitance: 100nF; Voltage: 25V; Dielectric: X7R; MPN: 0402B104K160CT; MFG: Walsin Technology Corporation; ki_fp_filters: reekilib_cap:CAPC*
C117 C118 C128 C129 C142 C143 C149 C150 = -: Datasheet: https://search.murata.co.jp/Ceramy/image/img/A01X/G101/ENG/GRM1885C1H132JA01-01A.pdf; Description: Non polarized capacitor; Capacitance: 1.3nF; Voltage: 16V; Dielectric: C0G; MPN: GRM1885C1H132JA01D; MFG: Murata; ki_fp_filters: reekilib_cap:CAPC*
C121 C130 C141 C148 C248-C257 = -: Datasheet: https://search.murata.co.jp/Ceramy/image/img/A01X/G101/ENG/GRM155R71C224KA12-01.pdf; Description: Non polarized capacitor; Capacitance: 220nF; Voltage: 16V; Dielectric: X7R; MPN: GRM155R71C224KA12D; MFG: Murata; ki_fp_filters: reekilib_cap:CAPC*
C122 C127 C137 C138 C159-C162 C187 C273 C289 C290 = -: Datasheet: https://yageogroup.com/content/datasheet/asset/file/KEM_A4088_A768; Description: Polarized capacitor; Capacitance: 100µF; Voltage: 25V; Tolerance: 20%; Temperature: 105°C; MPN: A768EB107M1ELAE036; MFG: KEMET; MPN2: A768EB107M1ELAS036; MFG2: KEMET; ki_fp_filters: reekilib_cap:CAPAE* reekilib_cap:CAPPR*
